# Altium PCB NODE_ABZ.PcbDoc (part 1 of 2) (continued)
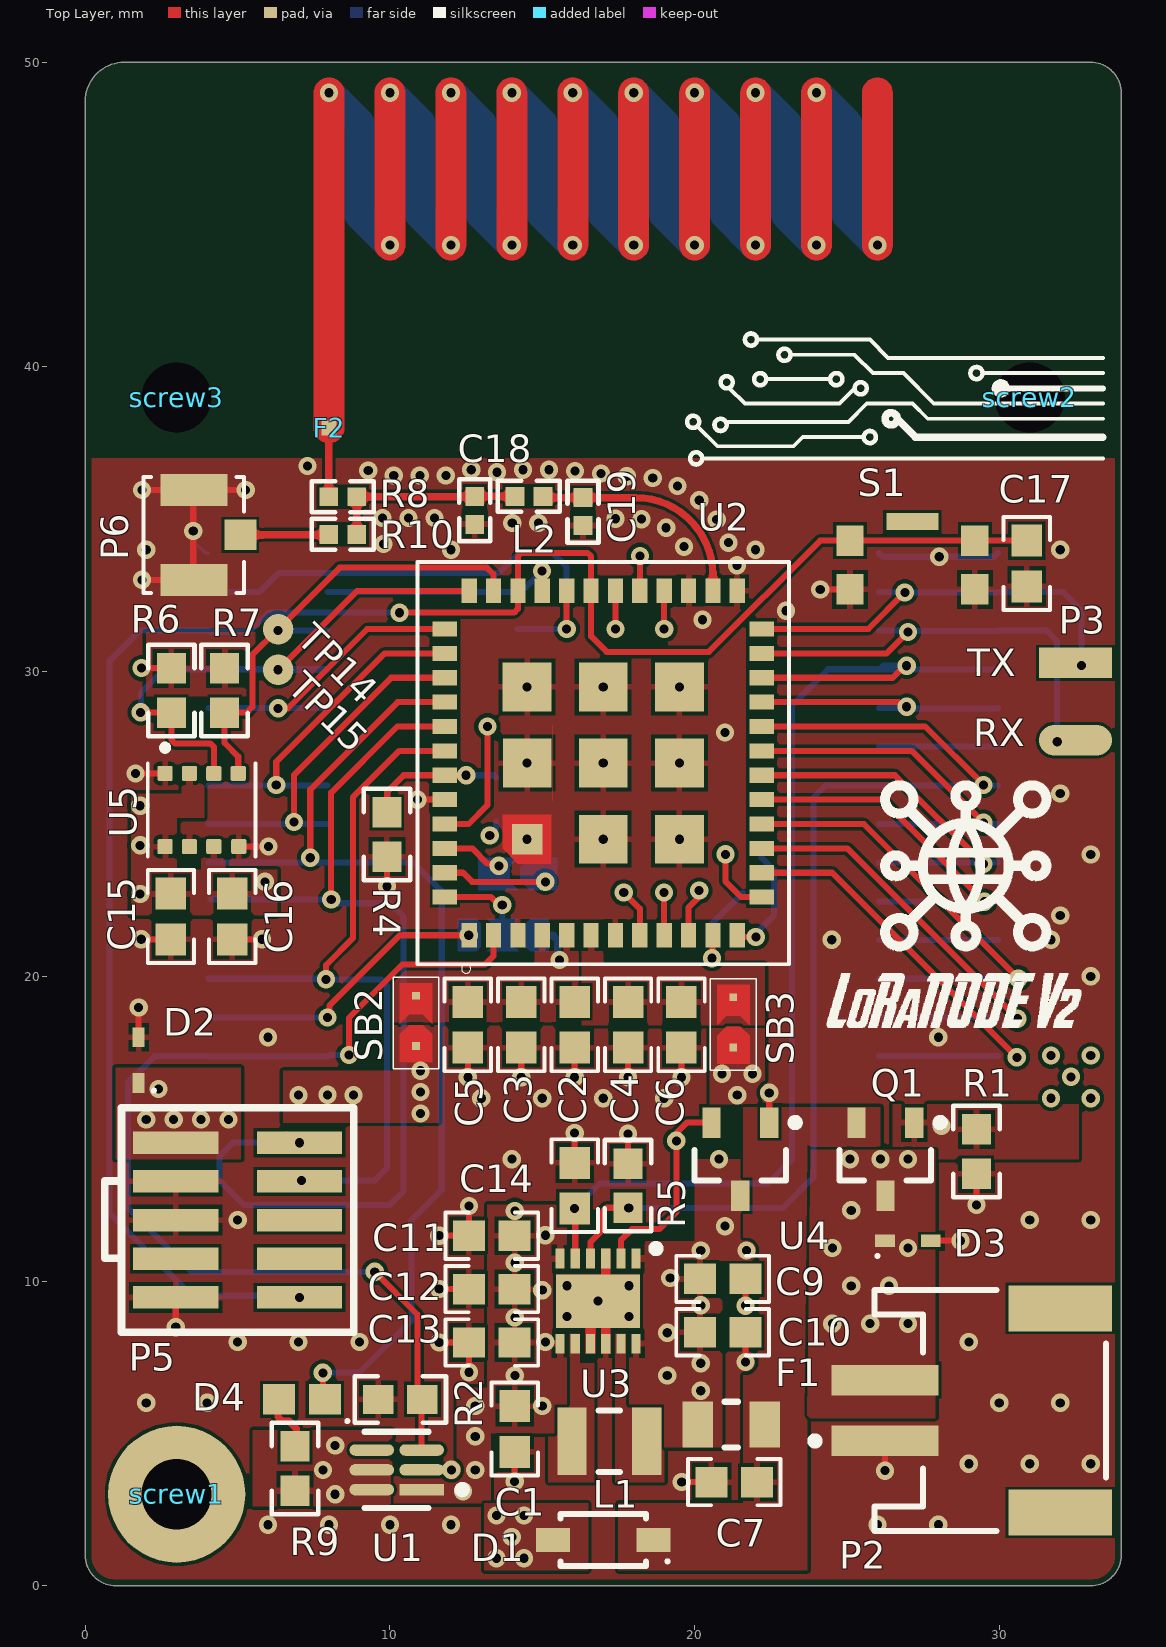
[diagram p0: Top Layer view]
## Part data
C1 C5 C6 C7 C8 C10 C13: library part C0603C105K8PACTU, "CAP CER, 1UF, 10V, X5R, 10%, 0603", Capacitance=1uF, Case Code (Imperial)=0603, Case Code (Metric)=1608, Dielectric=X5R, Dielectric Material=Ceramic, Manufacturer=KEMET, Max Operating Temperature=85°C, Min Operating Temperature=-55°C, Package Quantity=1, Supplier Part Number 1=399-3118-1-ND, Tolerance=10%, Voltage=10V, Case/Package=0603, Category="Ceramic Capacitors", ComponentLink1Description=https://datasheet.ciiva.com/11787/0900766b8116eb59-11787747.pdf?src-supplier=RSComponents, ComponentLink1URL=https://datasheet.ciiva.com/11787/0900766b8116eb59-11787747.pdf?src-supplier=RSComponents, ComponentLink2Description=https://datasheet.ciiva.com/6074/40889-6074647.pdf?src-supplier=Farnell, ComponentLink2URL=https://datasheet.ciiva.com/6074/40889-6074647.pdf?src-supplier=Farnell, ComponentLink3Description=https://datasheet.ciiva.com/28645/1831760-28645655.pdf?src-supplier=Element14, ComponentLink3URL=https://datasheet.ciiva.com/28645/1831760-28645655.pdf?src-supplier=Element14, ComponentLink4Description=https://datasheet.ciiva.com/26847/getdatasheetpartid-385480-26847548.pdf?src-supplier=Verical, ComponentLink4URL=https://datasheet.ciiva.com/26847/getdatasheetpartid-385480-26847548.pdf?src-supplier=Verical, ComponentLink5Description=https://datasheet.ciiva.com/7823/40889-7823998.pdf?src-supplier=Element14, ComponentLink5URL=https://datasheet.ciiva.com/7823/40889-7823998.pdf?src-supplier=Element14, ComponentLink6Description=https://datasheet.ciiva.com/7823/1929483-7823999.pdf?src-supplier=Element14, ComponentLink6URL=https://datasheet.ciiva.com/7823/1929483-7823999.pdf?src-supplier=Element14, Depth=0.8mm, Height=0.8mm, Lead Free="Lead Free", Length=1.6mm, Manufacturer Part Number=C0603C105K8PACTU, Mount="Surface Mount", Number of Pins=2, Packaging="Tape and Reel", Pricing 1="1=0.10000, 10=0.05900, 50=0.03200, 100=0.02610, 500=0.01864, 1000=0.01464 (USD)", Radiation Hardening=No, REACH SVHC="No SVHC", RoHS=Yes, Stock 1=39312, Supplier 1=Digi-Key, Termination=SMD/SMT, Thickness=0.035inch, Voltage Rating=10V, Voltage Rating (DC)=10V, Weight=7.1E-05oz, Width=0.031inch
C2 C17: library part C0603C104K9RACTU, "Cap Ceramic 0.1uF 6.3V X7R 10% Pad SMD 0603 125°C T/R", Capacitance=100nF, Case Code (Imperial)=0603, Case Code (Metric)=1608, Dielectric=X7R, Dielectric Material=Ceramic, Manufacturer 1=KEMET, Max Operating Temperature=125°C, Min Operating Temperature=-55°C, Package Quantity=4000, Supplier Part Number 1=80-C0603C104K9R, Tolerance=10%, Voltage Rating=6.3V, Case/Package=0603, Category="Ceramic Capacitors", ComponentLink1Description=https://datasheet.ciiva.com/13371/kem-c1002-x7r-smd-357932-13371879.pdf?src-supplier=Mouser, ComponentLink1URL=https://datasheet.ciiva.com/13371/kem-c1002-x7r-smd-357932-13371879.pdf?src-supplier=Mouser, Depth=0.8mm, Dissipation Factor=5%, Height=0.8mm, Length=1.6mm, Manufacturer Part Number 1=C0603C104K9RACTU, Mount="Surface Mount", Packaging="Tape and Reel", Pricing 1="1=0,19000, 10=0,13800, 100=0,04500, 1000=0,03700, 4000=0,02700, 8000=0,02400 (USD)", Radiation Hardening=No, RoHS=Yes, Stock 1=22809, Supplier 1=Mouser, Termination=SMD/SMT, Thickness=0.034inch, Voltage Rating (DC)=6.3V, Width=0.8mm
C3 C4 C15 C16: library part C0603C103K5RACTU, "Multilayer Ceramic Capacitor, C Series, 0.01 - F, - 10%, X7R, 50 V, 0603 [1608 Metric] ;RoHS Compliant: Yes", Capacitance=10nF, Case Code (Imperial)=0603, Case Code (Metric)=1608, Dielectric=X7R, Dielectric Material=Ceramic, Manufacturer=KEMET, Max Operating Temperature=125°C, Min Operating Temperature=-55°C, Package Quantity=4000, Supplier Part Number 1=399-1091-1-ND, Tolerance=10%, Voltage=50V, Case/Package=0603, Category="Ceramic Capacitors", ComponentLink1Description=https://datasheet.ciiva.com/7823/1732718-7823585.pdf?src-supplier=Element14, ComponentLink1URL=https://datasheet.ciiva.com/7823/1732718-7823585.pdf?src-supplier=Element14, ComponentLink2Description=https://datasheet.ciiva.com/5904/kem-c1002-x7r-smd-5904645.pdf?src-supplier=Farnell, ComponentLink2URL=https://datasheet.ciiva.com/5904/kem-c1002-x7r-smd-5904645.pdf?src-supplier=Farnell, ComponentLink3Description=https://datasheet.ciiva.com/18192/getdatasheetpartid-308803-18192662.pdf?src-supplier=Verical, ComponentLink3URL=https://datasheet.ciiva.com/18192/getdatasheetpartid-308803-18192662.pdf?src-supplier=Verical, ComponentLink4Description=https://datasheet.ciiva.com/39122/kem-c1002-x7r-smd-39122903.pdf?src-supplier=Onlinecomponents.com, ComponentLink4URL=https://datasheet.ciiva.com/39122/kem-c1002-x7r-smd-39122903.pdf?src-supplier=Onlinecomponents.com, ComponentLink5Description=https://datasheet.ciiva.com/7823/kem-c1002-x7r-smd-7823976.pdf?src-supplier=Element14, ComponentLink5URL=https://datasheet.ciiva.com/7823/kem-c1002-x7r-smd-7823976.pdf?src-supplier=Element14, ComponentLink6Description=https://datasheet.ciiva.com/7823/kem-c1002-x7r-smd-7823977.pdf?src-supplier=Element14, ComponentLink6URL=https://datasheet.ciiva.com/7823/kem-c1002-x7r-smd-7823977.pdf?src-supplier=Element14, ComponentLink7Description=https://datasheet.ciiva.com/7823/1918693-7823978.pdf?src-supplier=Element14, ComponentLink7URL=https://datasheet.ciiva.com/7823/1918693-7823978.pdf?src-supplier=Element14, ComponentLink8Description=https://datasheet.ciiva.com/14585/70095383-14585450.pdf?src-supplier=Allied+Electronics, ComponentLink8URL=https://datasheet.ciiva.com/14585/70095383-14585450.pdf?src-supplier=Allied+Electronics, ComponentLink9Description=https://datasheet.ciiva.com/18101/getdatasheetpartid-58468-18101898.pdf?src-supplier=Verical, ComponentLink9URL=https://datasheet.ciiva.com/18101/getdatasheetpartid-58468-18101898.pdf?src-supplier=Verical, ComponentLink10Description=https://datasheet.ciiva.com/5416/kem-c1002-x7r-smd-5416028.pdf?src-supplier=Mouser, ComponentLink10URL=https://datasheet.ciiva.com/5416/kem-c1002-x7r-smd-5416028.pdf?src-supplier=Mouser, ComponentLink11Description=https://datasheet.ciiva.com/28645/1851736-28645598.pdf?src-supplier=Element14, ComponentLink11URL=https://datasheet.ciiva.com/28645/1851736-28645598.pdf?src-supplier=Element14, Contact Plating=Tin,Matte, Depth=0.8mm, Dissipation Factor=2.5%, Height=0.8mm, Lead Pitch=0.7mm, Length=1.6mm, Manufacturer Part Number=C0603C103K5RACTU, Mount="Surface Mount,PCB", Number of Pins=2, Packaging="Tape and Reel", Pricing 1="1=0.11000, 10=0.07700, 50=0.04220, 100=0.03440, 500=0.02456, 1000=0.01930 (USD)", Radiation Hardening=No, REACH SVHC="No SVHC", RoHS=Yes, Stock 1=2415850, Supplier 1=Digi-Key, Termination=SMD/SMT, Thickness=0.034inch, Voltage Rating=50V, Voltage Rating (DC)=50V, Width=0.8mm
C9 C11 C14: library part C0603C104K9RACTU, "CAP CER, 0.1UF, 6.3V, X7R, 10%, 0603", Capacitance=100nF, Case Code (Imperial)=0603, Case Code (Metric)=1608, Dielectric=X7R, Dielectric Material=Ceramic, Manufacturer 1=KEMET, Max Operating Temperature=125°C, Min Operating Temperature=-55°C, Package Quantity=4000, Supplier Part Number 1=80-C0603C104K9R, Tolerance=10%, Voltage Rating=6.3V, Case/Package=0603, Category="Ceramic Capacitors", ComponentLink1Description=https://datasheet.ciiva.com/13371/kem-c1002-x7r-smd-357932-13371879.pdf?src-supplier=Mouser, ComponentLink1URL=https://datasheet.ciiva.com/13371/kem-c1002-x7r-smd-357932-13371879.pdf?src-supplier=Mouser, Depth=0.8mm, Dissipation Factor=5%, Height=0.8mm, Length=1.6mm, Manufacturer Part Number 1=C0603C104K9RACTU, Mount="Surface Mount", Packaging="Tape and Reel", Pricing 1="1=0,19000, 10=0,13800, 100=0,04500, 1000=0,03700, 4000=0,02700, 8000=0,02400 (USD)", Radiation Hardening=No, RoHS=Yes, Stock 1=22809, Supplier 1=Mouser, Termination=SMD/SMT, Thickness=0.034inch, Voltage Rating (DC)=6.3V, Width=0.8mm
C12: library part C0603C300G1HACTU, "CAP CER, 22UF, 100V, X8R, 2%, 0603", Manufacturer=KEMET, Supplier Part Number 1=80-C0603C300G1HACTU, Category="Ceramic Capacitors", Manufacturer Part Number=C0603C300G1HACTU, Pricing 1="1=0.04000, 10=0.02900, 50=0.02900, 100=0.02500, 1000=0.01400, 10000=0.01200 (USD)", RoHS=Yes, RoHS Compliant=Yes, Stock 1=11458, Supplier 1=Mouser
C18 C19: library part C0603C103K9RACTU, "NM", Capacitance=10nF, Case Code (Imperial)=0603, Case Code (Metric)=1608, Dielectric=X7R, Dielectric Material=Ceramic, Manufacturer 1=KEMET, Max Operating Temperature=125°C, Min Operating Temperature=-55°C, Package Quantity=1, Supplier Part Number 1=80-C0603C103K9R, Tolerance=10%, Voltage Rating=6.3V, Case/Package=0603, Category="Ceramic Capacitors", ComponentLink1Description=https://datasheet.ciiva.com/5421/kem-c1002-x7r-smd-357932-5421815.pdf?src-supplier=Mouser, ComponentLink1URL=https://datasheet.ciiva.com/5421/kem-c1002-x7r-smd-357932-5421815.pdf?src-supplier=Mouser, Depth=0.8mm, Dissipation Factor=5%, Height=0.8mm, Length=1.6mm, Manufacturer Part Number 1=C0603C103K9RACTU, Mount="Surface Mount", Packaging="Tape and Reel", Pricing 1="1=0,11000, 10=0,07600, 100=0,02400, 1000=0,02000, 4000=0,01600, 8000=0,01400 (USD)", RoHS=Yes, Stock 1=18988, Supplier 1=Mouser, Termination=SMD/SMT, Thickness=0.034inch, Voltage Rating (DC)=6.3V, Width=0.031inch
D1: "DIODE SCHOTTKY 40V 1A 570mV SOD123", Manufacturer=Nexperia, Supplier Part Number 1=841-PMEG4010CEGWX, Category="Schottky Diodes", ComponentLink1Description=http://www.farnell.com/datasheets/2290154.pdf?src-supplier=Farnell, ComponentLink1URL=http://www.farnell.com/datasheets/2290154.pdf?src-supplier=Farnell, ComponentLink2Description=https://assets.nexperia.com/documents/data-sheet/PMEG4010CEGW.pdf?src-supplier=Digi-Key, ComponentLink2URL=https://assets.nexperia.com/documents/data-sheet/PMEG4010CEGW.pdf?src-supplier=Digi-Key, ComponentLink3Description=http://www.farnell.com/datasheets/2290154.pdf?src-supplier=Element14, ComponentLink3URL=http://www.farnell.com/datasheets/2290154.pdf?src-supplier=Element14, ComponentLink4Description=http://www.farnell.com/datasheets/2290154.pdf?src-supplier=Newark, ComponentLink4URL=http://www.farnell.com/datasheets/2290154.pdf?src-supplier=Newark, Manufacturer Part Number=PMEG4010CEGWX, Pricing 1="1=0.29000, 10=0.19400, 50=0.19400, 100=0.09100, 1000=0.05400, 10000=0.03500 (USD)", RoHS=No, RoHS Compliant=No, Stock 1=3187, Supplier 1=Mouser
D2 D3: library part ESD5Z7.0T1G, "TVS Diodes / ESD Suppressors SOD523 ESD DIODE", Breakdown Voltage=7.5V, Capacitance=65pF, Case/Package=SOD-523-2, Clamping Voltage=22.7V, Leakage Current=10nA, Manufacturer="ON Semiconductor", Max Operating Temperature=150°C, Max Power Dissipation=240W, Max Surge Current=8.8A, Min Operating Temperature=-55°C, Operating Supply Voltage=7V, Package Quantity=1, Peak Pulse Power=200W, Power Line Protection=No, Resistor Type=Zener, Supplier Part Number 1=863-ESD5Z7.0T1G, Test Current=1mA, Category="ESD and Circuit Protection ICs", Clamping Voltage-Max=22.7V, ComponentLink1Description=https://datasheet.ciiva.com/353/esd5z2-5t1-d-353760.pdf?src-supplier=Digi-Key, ComponentLink1URL=https://datasheet.ciiva.com/353/esd5z2-5t1-d-353760.pdf?src-supplier=Digi-Key, ComponentLink2Description=https://datasheet.ciiva.com/30478/0900766b8125092b-30478674.pdf?src-supplier=RSComponents, ComponentLink2URL=https://datasheet.ciiva.com/30478/0900766b8125092b-30478674.pdf?src-supplier=RSComponents, ComponentLink3Description=https://datasheet.ciiva.com/353/esd5z2-5t1-d-353761.pdf?src-supplier=Digi-Key, ComponentLink3URL=https://datasheet.ciiva.com/353/esd5z2-5t1-d-353761.pdf?src-supplier=Digi-Key, ComponentLink4Description=https://datasheet.ciiva.com/11195/esd5z2-5t1-d-11195333.pdf?src-supplier=Avnet, ComponentLink4URL=https://datasheet.ciiva.com/11195/esd5z2-5t1-d-11195333.pdf?src-supplier=Avnet, ComponentLink5Description=https://datasheet.ciiva.com/16437/esd5z2-5t1-d-16437829.pdf?src-supplier=Future+Electronics, ComponentLink5URL=https://datasheet.ciiva.com/16437/esd5z2-5t1-d-16437829.pdf?src-supplier=Future+Electronics, ComponentLink6Description=https://datasheet.ciiva.com/7973/esd5z2-5t1-d-7973851.pdf?src-supplier=Element14, ComponentLink6URL=https://datasheet.ciiva.com/7973/esd5z2-5t1-d-7973851.pdf?src-supplier=Element14, ComponentLink7Description=https://datasheet.ciiva.com/26817/getdatasheetpartid-120991-26817819.pdf?src-supplier=Verical, ComponentLink7URL=https://datasheet.ciiva.com/26817/getdatasheetpartid-120991-26817819.pdf?src-supplier=Verical, ComponentLink8Description=https://datasheet.ciiva.com/353/esd5z2-5t1-d-353759.pdf?src-supplier=Digi-Key, ComponentLink8URL=https://datasheet.ciiva.com/353/esd5z2-5t1-d-353759.pdf?src-supplier=Digi-Key, Contact Plating=Tin,Matte, Depth=0.8mm, Diode Type=ZENER, Direction=Unidirectional, Element Configuration=Single, ESD Protection=Yes, Halogen Free="Halogen Free", Height=0.7mm, Lead Free="Lead Free", Length=1.2mm, Manufacturer Part Number=ESD5Z7.0T1G, Max Breakdown Voltage=7.5V, Max Reverse Leakage Current=10nA, Min Breakdown Voltage=7.5V, Number of Channels=1, Number of Elements=1, Number of Lines=1, Number of Pins=2, Number of Unidirectional Channels=1, Packaging="Tape and Reel", Peak Pulse Current=8.8A, Polarity=Unidirectional, Pricing 1="1=0.17000, 10=0.11700, 50=0.11700, 100=0.05000, 1000=0.03500, 10000=0.02300 (USD)", Radiation Hardening=No, REACH SVHC="No SVHC", Reverse Breakdown Voltage=7.5V, Reverse Standoff Voltage=7V, RoHS=Yes, RoHS Compliant=Yes, Series="Automotive, AEC-Q101", Stock 1=23017, Supplier 1=Mouser, Termination=SMD/SMT, Width=0.9mm, Working Voltage=7V
D4: library part KPG1-1608SURC-TT, "Led, Red, 65MCD, 631NM, SMD, 1608", Manufacturer=Kingbright, Supplier Part Number 1=1254508, ComponentLink1Description=http://www.farnell.com/datasheets/2163487.pdf?src-supplier=Farnell, ComponentLink1URL=http://www.farnell.com/datasheets/2163487.pdf?src-supplier=Farnell, Manufacturer Part Number=KPG1-1608SURC-TT, Pricing 1="25=0.16500 (USD)", RoHS=No, Stock 1=2675, Supplier 1=RSComponents
F1: library part 0ZCK0075FF2E, "BEL FUSE - 0ZCK0075FF2E - FUSE, RESETTABLE PTC, 6VDC, 0.75A, SMD", Case Code (Imperial)=0805, Case Code (Metric)=2012, Hold Current=750mA, Manufacturer=Bel, Max Current Rating=40A, Package Quantity=1, Supplier Part Number 1=530-0ZCK0075FF2E, Trip Current=1.5A, Case/Package=0805, Category="PTC Resettable Fuses", ComponentLink1Description=https://datasheet.ciiva.com/18550/0zck-18550716.pdf?src-supplier=Digi-Key, ComponentLink1URL=https://datasheet.ciiva.com/18550/0zck-18550716.pdf?src-supplier=Digi-Key, ComponentLink2Description=https://datasheet.ciiva.com/18550/0zck-18550717.pdf?src-supplier=Digi-Key, ComponentLink2URL=https://datasheet.ciiva.com/18550/0zck-18550717.pdf?src-supplier=Digi-Key, Lead Free="Lead Free", Manufacturer Part Number=0ZCK0075FF2E, Packaging="Tape and Reel", Pricing 1="1=0.17000, 10=0.17000, 50=0.12300, 100=0.10900, 1000=0.08600, 10000=0.07300 (USD)", RoHS=Yes, RoHS Compliant=Yes, Stock 1=8730, Supplier 1=Mouser, Time to Trip=0.2s
F2: library part Helical_868-915MHZ, "19x11mm Helical antenna. Requieres load matching  (impedance at 868MHz: 10-88j, VSWR 22)"
L1: library part CVH252009-2R2M, "2.2uH, 1.3A , 20%, 1MHz", Case Code (Imperial)=1008, Case Code (Metric)=2520, Current Rating=1.3A, DC Resistance (DCR)=80mR, Inductance=2.2uH, Inductance Tolerance=20%, Manufacturer=Bourns, Max Operating Temperature=125°C, Min Operating Temperature=-55°C, Package Quantity=3000, Self Resonant Frequency=40MHz, Supplier Part Number 1=652-CVH252009-2R2M, Test Frequency=1MHz, Case/Package=1008, Category="Fixed Inductors", ComponentLink1Description=https://datasheet.ciiva.com/6703/cvh25200920series-6703456.pdf?src-supplier=Digi-Key, ComponentLink1URL=https://datasheet.ciiva.com/6703/cvh25200920series-6703456.pdf?src-supplier=Digi-Key, ComponentLink2Description=https://datasheet.ciiva.com/3079/cvh-3079746.pdf?src-supplier=Avnet, ComponentLink2URL=https://datasheet.ciiva.com/3079/cvh-3079746.pdf?src-supplier=Avnet, ComponentLink3Description=https://datasheet.ciiva.com/7849/1610598-7849317.pdf?src-supplier=Element14, ComponentLink3URL=https://datasheet.ciiva.com/7849/1610598-7849317.pdf?src-supplier=Element14, ComponentLink4Description=https://datasheet.ciiva.com/22874/70301233-22874395.pdf?src-supplier=Allied+Electronics, ComponentLink4URL=https://datasheet.ciiva.com/22874/70301233-22874395.pdf?src-supplier=Allied+Electronics, ComponentLink5Description=https://datasheet.ciiva.com/6703/cvh252009series-6703455.pdf?src-supplier=Digi-Key, ComponentLink5URL=https://datasheet.ciiva.com/6703/cvh252009series-6703455.pdf?src-supplier=Digi-Key, Contact Plating=Tin, Core Material=Ferrite, DC Current=1.3A, Depth=2.2mm, Height - Seated (Max)=0.039inch, Length=0.098inch, Manufacturer Part Number=CVH252009-2R2M, Max DC Current=1.3A, Military Standard=Not, Mount="Surface Mount", Packaging="Tape and Reel", Pricing 1="1=0.23000, 10=0.18800, 50=0.16900, 100=0.15800, 1000=0.11100, 10000=0.08000 (USD)", REACH SVHC="No SVHC", RoHS=Yes, RoHS Compliant=Yes, Series=CVH252009, Shielding=Shielded, Stock 1=41990, Supplier 1=Mouser, Termination=SMD/SMT, Tolerance=20%, Width=0.079inch
L2: library part 2506031217Z0, "NM", Capacitance=-, Manufacturer=Fair-Rite, Maximum DC Current="450 mA", Maximum DC Resistance="300 mOhms", Maximum Operating Temperature="+ 125 C", Minimum Operating Temperature="- 55 C", Operating Temperature Range="- 55 C to + 125 C", Package / Case="0603 (1608 metric)", Supplier Part Number 1=623-2506031217Z0, Test Frequency="100 MHz", Tolerance="25 %", Brand=Fair-Rite, Category="Ferrite Beads", ComponentLink1Description=https://www.mouser.com/datasheet/2/150/2506031217Z0-471794.pdf, ComponentLink1URL=https://www.mouser.com/datasheet/2/150/2506031217Z0-471794.pdf, Height="0.8 mm", Impedance="120 Ohms", Length="1.6 mm", Manufacturer Part Number=2506031217Z0, Minimum Order Quantity=1, Packaging="Cut Tape", Pricing 1="1=0.032, 2500=0.027, 4000=0.025, 8000=0.024, 24000=0.022, 48000=0.021, 100000=0.018, 400000=0.016 (EUR)", Product="Ferrite Chip Beads", Product Type="Ferrite Beads", Reeling=True, RoHS="RoHS Compliant", RoHS - Mouser=Y, Standard Pack Qty=4000, Stock 1=9619, Subcategory=Ferrites, Supplier 1=Mouser, Termination=-, Termination Style=SMD/SMT, Type="Multilayer Ferrite Chip Bead", Width="0.8 mm"
logo1: library part Robolabo
P1 P4: library part CONN-2X15-1.27-MALE-RECT, "CONN-2X15-1.27-MALE-RECT"
P2: library part S2B-PH-SM4-TB, "CONN MALE RECT 2 POS 2mm"
P3: library part CONN-1X2-2.54-PCB
P5: library part CONN-2X5-1.27-MALE-RECT, "CONN-2X5-1.27-MALE-RECT"
P6: library part 73412-0110, "MOLEX   73412-0110   RF COAXIAL, MICROCOAXIAL, JACK, 50OHM", Frequency=6GHz, Insulation Resistance=500MR, Manufacturer=Molex, Max Operating Temperature=90°C, Min Operating Temperature=-40°C, Package Quantity=5000, Supplier Part Number 1=WM5587CT-ND, Voltage Rating=60V, Body Material="Polymer,Liquid Crystal Polymer", Body Plating=Gold, Category="RF / Coaxial Connectors", ComponentLink1Description=https://datasheet.ciiva.com/30219/250360734120110-rf-coax-nectors-30219809.pdf?src-supplier=Onlinecomponents.com, ComponentLink1URL=https://datasheet.ciiva.com/30219/250360734120110-rf-coax-nectors-30219809.pdf?src-supplier=Onlinecomponents.com, ComponentLink2Description=https://datasheet.ciiva.com/16653/0734120110-rf-coax-connectors-16653186.pdf?src-supplier=Avnet+Europe, ComponentLink2URL=https://datasheet.ciiva.com/16653/0734120110-rf-coax-connectors-16653186.pdf?src-supplier=Avnet+Europe, ComponentLink3Description=https://datasheet.ciiva.com/11762/0900766b80dfdeb4-11762356.pdf?src-supplier=RSComponents, ComponentLink3URL=https://datasheet.ciiva.com/11762/0900766b80dfdeb4-11762356.pdf?src-supplier=RSComponents, ComponentLink4Description=https://datasheet.ciiva.com/22773/1841262-22773140.pdf?src-supplier=Farnell, ComponentLink4URL=https://datasheet.ciiva.com/22773/1841262-22773140.pdf?src-supplier=Farnell, ComponentLink5Description=https://datasheet.ciiva.com/4600/0734120110-rf-coax-connectors-173239-4600647.pdf?src-supplier=Mouser, ComponentLink5URL=https://datasheet.ciiva.com/4600/0734120110-rf-coax-connectors-173239-4600647.pdf?src-supplier=Mouser, ComponentLink6Description=https://datasheet.ciiva.com/16081/1387750734120110-rf-coax-nectors-16081145.pdf?src-supplier=Onlinecomponents.com, ComponentLink6URL=https://datasheet.ciiva.com/16081/1387750734120110-rf-coax-nectors-16081145.pdf?src-supplier=Onlinecomponents.com, ComponentLink7Description=https://datasheet.ciiva.com/46384/1808577-46384459.pdf?src-supplier=Element14, ComponentLink7URL=https://datasheet.ciiva.com/46384/1808577-46384459.pdf?src-supplier=Element14, ComponentLink8Description=https://datasheet.ciiva.com/9419/0734120110-rf-coax-connectors-9419357.pdf?src-supplier=Avnet, ComponentLink8URL=https://datasheet.ciiva.com/9419/0734120110-rf-coax-connectors-9419357.pdf?src-supplier=Avnet, Connector Type=Coaxial, Contact Material=Bronze,Brass, Contact Plating=Gold, Gender=Female, Halogen Free="Low Halogen", Impedance=50R, Lead Free="Lead Free", Manufacturer Part Number=73412-0110, Material=Bronze, Mating Cycles=30, Max Frequency=6GHz, Mount="Surface Mount,Through Hole,PCB", Orientation=Straight, Packaging="Tape and Reel", Polarity=Standard, Pricing 1="1=0.77000, 10=0.72200, 25=0.64960, 50=0.57740, 100=0.55330, 250=0.50520, 500=0.48114, 1000=0.39694, 2500=0.36086 (USD)", Radiation Hardening=No, REACH SVHC=Unknown, RoHS=Yes, Stock 1=98770, Supplier 1=Digi-Key, Termination=Solder, Voltage Rating (AC)=60V
Q1: library part SI2369DS-T1-GE3, "VISHAY - SI2369DS-T1-GE3 - MOSFET, P-CH, -30V, -7.6A, 150DEG C", Case/Package=TO-236-3, Continuous Drain Current (ID)=-7.6A, Drain to Source Breakdown Voltage=30V, Drain to Source Resistance=29mR, Gate to Source Voltage (Vgs)=20V, Input Capacitance=1.295nF, Manufacturer="Vishay Siliconix", Max Operating Temperature=150°C, Max Power Dissipation=2.5W, Min Operating Temperature=-55°C, Package Quantity=3000, Supplier Part Number 1=78-SI2369DS-T1-GE3, Category=MOSFETs, ComponentLink1Description=https://datasheet.ciiva.com/29747/si2369d-29747874.pdf?src-supplier=Digi-Key, ComponentLink1URL=https://datasheet.ciiva.com/29747/si2369d-29747874.pdf?src-supplier=Digi-Key, ComponentLink2Description=https://datasheet.ciiva.com/29747/si2369d-29747879.pdf?src-supplier=Digi-Key, ComponentLink2URL=https://datasheet.ciiva.com/29747/si2369d-29747879.pdf?src-supplier=Digi-Key, Contact Plating=Tin,Matte, Drain to Source Voltage (Vdss)=30V, Manufacturer Part Number=SI2369DS-T1-GE3, Mount="Surface Mount", Number of Channels=1, Number of Pins=3, Packaging="Tape and Reel", Pricing 1="1=0.36000, 10=0.32600, 100=0.24200, 500=0.19900, 1000=0.15300, 3000=0.14000 (USD)", Radiation Hardening=No, Rds On Max=29mR, REACH SVHC="No SVHC", RoHS=Yes, Stock 1=37245, Supplier 1=Mouser
R1 R2 R5: library part CRCW0603100KFKEAHP, "RES SMD 100K OHM 1% 1/10W 0603", Case Code (Imperial)=0603, Case Code (Metric)=1608, Manufacturer=Vishay, Max Operating Temperature=155°C, Max Power Dissipation=250mW, Min Operating Temperature=-55°C, Package Quantity=10, Resistance=100kR, Supplier Part Number 1=541-100KSCT-ND, Temperature Coefficient=100ppm/°C, Tolerance=1%, Voltage Rating=75V, Case/Package=0603, Category="Chip SMD Resistors", ComponentLink1Description=https://datasheet.ciiva.com/3256/crcwhpe3-3256918.pdf?src-supplier=Avnet, ComponentLink1URL=https://datasheet.ciiva.com/3256/crcwhpe3-3256918.pdf?src-supplier=Avnet, ComponentLink2Description=https://datasheet.ciiva.com/2472/crcwhpe3-2472535.pdf?src-supplier=Digi-Key, ComponentLink2URL=https://datasheet.ciiva.com/2472/crcwhpe3-2472535.pdf?src-supplier=Digi-Key, ComponentLink3Description=https://datasheet.ciiva.com/2472/crcwhpe3-2472536.pdf?src-supplier=Digi-Key, ComponentLink3URL=https://datasheet.ciiva.com/2472/crcwhpe3-2472536.pdf?src-supplier=Digi-Key, ComponentLink4Description=https://datasheet.ciiva.com/16211/crcwhpe3-16211869.pdf?src-supplier=Future+Electronics, ComponentLink4URL=https://datasheet.ciiva.com/16211/crcwhpe3-16211869.pdf?src-supplier=Future+Electronics, ComponentLink5Description=https://datasheet.ciiva.com/7777/424479-7777270.pdf?src-supplier=Element14, ComponentLink5URL=https://datasheet.ciiva.com/7777/424479-7777270.pdf?src-supplier=Element14, ComponentLink6Description=https://datasheet.ciiva.com/7777/424479-7777271.pdf?src-supplier=Element14, ComponentLink6URL=https://datasheet.ciiva.com/7777/424479-7777271.pdf?src-supplier=Element14, ComponentLink7Description=https://datasheet.ciiva.com/2472/crcwhpe3-2472537.pdf?src-supplier=Digi-Key, ComponentLink7URL=https://datasheet.ciiva.com/2472/crcwhpe3-2472537.pdf?src-supplier=Digi-Key, Composition="Thick Film", Contact Plating=Tin, Depth=0.85mm, Features="Automotive AEC-Q200", Height=0.45mm, Lead Free="Lead Free", Length=1.6mm, Manufacturer Part Number=CRCW0603100KFKEAHP, Military Standard=Not, Number of Terminations=2, Packaging="Tape and Reel", Power Rating=250mW, Pricing 1="1=0.16000, 10=0.13600, 100=0.05330, 1000=0.02232, 2500=0.02046 (USD)", Radiation Hardening=No, REACH SVHC=Unknown, RoHS=Yes, Stock 1=8564, Supplier 1=Digi-Key, Termination=SMD/SMT, Voltage Rating (DC)=75V, Weight=7.1E-05oz, Width=0.8mm
R3 R8 R10: library part CRCW0603-0000Z0EA, "RES SMD 0 OHM 0603", Case Code (Imperial)=0603, Case Code (Metric)=1608, Current Rating=2A, Manufacturer 1=Vishay, Max Operating Temperature=155°C, Max Power Dissipation=100mW, Min Operating Temperature=-55°C, Package Quantity=1, Resistance=0mR, Supplier Part Number 1=71-CRCW0603-0-E3, Temperature Coefficient=100ppm/°C, Tolerance=5%, Voltage Rating=75V, Case/Package=0603, ComponentLink1Description=https://datasheet.ciiva.com/2461/dcrcwe3-2461968.pdf?src-supplier=Digi-Key, ComponentLink1URL=https://datasheet.ciiva.com/2461/dcrcwe3-2461968.pdf?src-supplier=Digi-Key, ComponentLink2Description=https://datasheet.ciiva.com/2461/dcrcwe3-2461969.pdf?src-supplier=Digi-Key, ComponentLink2URL=https://datasheet.ciiva.com/2461/dcrcwe3-2461969.pdf?src-supplier=Digi-Key, ComponentLink3Description=https://datasheet.ciiva.com/2461/dcrcwe3-2461970.pdf?src-supplier=Digi-Key, ComponentLink3URL=https://datasheet.ciiva.com/2461/dcrcwe3-2461970.pdf?src-supplier=Digi-Key, ComponentLink4Description=https://datasheet.ciiva.com/8340/dcrcwe3-8340197.pdf?src-supplier=Avnet, ComponentLink4URL=https://datasheet.ciiva.com/8340/dcrcwe3-8340197.pdf?src-supplier=Avnet, ComponentLink5Description=https://datasheet.ciiva.com/16941/dcrcw-16941302.pdf?src-supplier=Avnet+Europe, ComponentLink5URL=https://datasheet.ciiva.com/16941/dcrcw-16941302.pdf?src-supplier=Avnet+Europe, ComponentLink6Description=https://datasheet.ciiva.com/16199/dcrcwe3-16199063.pdf?src-supplier=Future+Electronics, ComponentLink6URL=https://datasheet.ciiva.com/16199/dcrcwe3-16199063.pdf?src-supplier=Future+Electronics, ComponentLink7Description=https://datasheet.ciiva.com/16725/70201119-16725175.pdf?src-supplier=Allied+Electronics, ComponentLink7URL=https://datasheet.ciiva.com/16725/70201119-16725175.pdf?src-supplier=Allied+Electronics, ComponentLink8Description=https://datasheet.ciiva.com/26316/fld-crcw-e3-data-en-26316615.pdf?src-supplier=Distrelec, ComponentLink8URL=https://datasheet.ciiva.com/26316/fld-crcw-e3-data-en-26316615.pdf?src-supplier=Distrelec, ComponentLink9Description=https://datasheet.ciiva.com/5544/dcrcwe3-109170-5544344.pdf?src-supplier=Mouser, ComponentLink9URL=https://datasheet.ciiva.com/5544/dcrcwe3-109170-5544344.pdf?src-supplier=Mouser, ComponentLink10Description=https://datasheet.ciiva.com/7841/1720486-7841816.pdf?src-supplier=Element14, ComponentLink10URL=https://datasheet.ciiva.com/7841/1720486-7841816.pdf?src-supplier=Element14, ComponentLink11Description=https://datasheet.ciiva.com/7841/1720486-7841817.pdf?src-supplier=Element14, ComponentLink11URL=https://datasheet.ciiva.com/7841/1720486-7841817.pdf?src-supplier=Element14, ComponentLink12Description=https://datasheet.ciiva.com/7841/125364-7841818.pdf?src-supplier=Element14, ComponentLink12URL=https://datasheet.ciiva.com/7841/125364-7841818.pdf?src-supplier=Element14, ComponentLink13Description=https://datasheet.ciiva.com/16721/70201119-16721450.pdf?src-supplier=Allied+Electronics, ComponentLink13URL=https://datasheet.ciiva.com/16721/70201119-16721450.pdf?src-supplier=Allied+Electronics, Composition="Thick Film", Contact Plating=Tin,Lead, Depth=0.85mm, Features="Automotive AEC-Q200", Height=0.02inch, Lead Free="Lead Free", Length=1.55mm, Manufacturer Part Number 1=CRCW0603-0000Z0EA, Military Standard=Not, Mount="Surface Mount", Number of Terminations=2, Packaging="Tape and Reel", Power Rating=100mW, Pricing 1="1=0,100000, 10=0,017000, 100=0,012000, 500=0,007000, 1000=0,006000, 2500=0,005000, 5000=0,004000, 10000=0,003000 (USD)", Radiation Hardening=No, REACH SVHC=Unknown, RoHS=Yes, Stock 1=1187486, Supplier 1=Mouser, Termination=SMD/SMT, Voltage Rating (DC)=75V, Weight=7.1E-05oz, Width=0.033inch, Working Voltage=75V
R4: library part CRCW060310K0FKEA, "RES SMD 10K OHM 1% 1/10W 0603", Case Code (Imperial)=0603, Case Code (Metric)=1608, Manufacturer=Vishay, Max Operating Temperature=155°C, Max Power Dissipation=100mW, Min Operating Temperature=-55°C, Package Quantity=10, Resistance=10kR, Supplier Part Number 1=541-10.0KHCT-ND, Temperature Coefficient=100ppm/°C, Tolerance=1%, Voltage Rating=75V, Case/Package=0603, Category="Chip SMD Resistors", ComponentLink1Description=https://datasheet.ciiva.com/11809/0900766b80d98afc-11809037.pdf?src-supplier=RSComponents, ComponentLink1URL=https://datasheet.ciiva.com/11809/0900766b80d98afc-11809037.pdf?src-supplier=RSComponents, ComponentLink2Description=https://datasheet.ciiva.com/16886/dcrcw-16886037.pdf?src-supplier=Avnet+Europe, ComponentLink2URL=https://datasheet.ciiva.com/16886/dcrcw-16886037.pdf?src-supplier=Avnet+Europe, ComponentLink3Description=https://datasheet.ciiva.com/26821/getdatasheetpartid-86831-26821109.pdf?src-supplier=Verical, ComponentLink3URL=https://datasheet.ciiva.com/26821/getdatasheetpartid-86831-26821109.pdf?src-supplier=Verical, ComponentLink4Description=https://datasheet.ciiva.com/16754/70201119-16754710.pdf?src-supplier=Allied+Electronics, ComponentLink4URL=https://datasheet.ciiva.com/16754/70201119-16754710.pdf?src-supplier=Allied+Electronics, ComponentLink5Description=https://datasheet.ciiva.com/16719/70201119-16719704.pdf?src-supplier=Allied+Electronics, ComponentLink5URL=https://datasheet.ciiva.com/16719/70201119-16719704.pdf?src-supplier=Allied+Electronics, ComponentLink6Description=https://datasheet.ciiva.com/2465/dcrcwe3-2465513.pdf?src-supplier=Digi-Key, ComponentLink6URL=https://datasheet.ciiva.com/2465/dcrcwe3-2465513.pdf?src-supplier=Digi-Key, ComponentLink7Description=https://datasheet.ciiva.com/5543/dcrcwe3-109170-5543001.pdf?src-supplier=Mouser, ComponentLink7URL=https://datasheet.ciiva.com/5543/dcrcwe3-109170-5543001.pdf?src-supplier=Mouser, ComponentLink8Description=https://datasheet.ciiva.com/2465/dcrcwe3-2465514.pdf?src-supplier=Digi-Key, ComponentLink8URL=https://datasheet.ciiva.com/2465/dcrcwe3-2465514.pdf?src-supplier=Digi-Key, ComponentLink9Description=https://datasheet.ciiva.com/46385/1697337-46385498.pdf?src-supplier=Element14, ComponentLink9URL=https://datasheet.ciiva.com/46385/1697337-46385498.pdf?src-supplier=Element14, ComponentLink10Description=https://datasheet.ciiva.com/2465/dcrcwe3-2465515.pdf?src-supplier=Digi-Key, ComponentLink10URL=https://datasheet.ciiva.com/2465/dcrcwe3-2465515.pdf?src-supplier=Digi-Key, ComponentLink11Description=https://datasheet.ciiva.com/3256/dcrcwe3-3256939.pdf?src-supplier=Avnet, ComponentLink11URL=https://datasheet.ciiva.com/3256/dcrcwe3-3256939.pdf?src-supplier=Avnet, ComponentLink12Description=https://datasheet.ciiva.com/3256/dcrcwe3-3256940.pdf?src-supplier=Avnet, ComponentLink12URL=https://datasheet.ciiva.com/3256/dcrcwe3-3256940.pdf?src-supplier=Avnet, ComponentLink13Description=https://datasheet.ciiva.com/16209/dcrcwe3-16209164.pdf?src-supplier=Future+Electronics, ComponentLink13URL=https://datasheet.ciiva.com/16209/dcrcwe3-16209164.pdf?src-supplier=Future+Electronics, ComponentLink14Description=https://datasheet.ciiva.com/26314/fld-crcw-e3-data-en-26314749.pdf?src-supplier=Distrelec, ComponentLink14URL=https://datasheet.ciiva.com/26314/fld-crcw-e3-data-en-26314749.pdf?src-supplier=Distrelec, Composition="Thick Film", Contact Plating=Tin,Lead, Depth=0.85mm, Features="Automotive AEC-Q200", Height=0.45mm, Lead Free="Lead Free", Length=1.55mm, Manufacturer Part Number=CRCW060310K0FKEA, Military Standard=Not, Number of Pins=2, Number of Terminations=2, Packaging="Tape and Reel", Power Rating=100mW, Pricing 1="1=0.10000, 10=0.03300, 100=0.01340, 1000=0.00602, 2500=0.00522 (USD)", Radiation Hardening=No, REACH SVHC=Unknown, RoHS=Yes, Stock 1=633553, Supplier 1=Digi-Key, Termination=SMD/SMT, Voltage Rating (DC)=75V, Weight=7.1E-05oz, Width=0.033inch
R6 R7: library part CRCW06034K70FKTA, "RES SMD 4.7K OHM 1% 1/10W 0603", Case Code (Imperial)=0603, Case Code (Metric)=1608, Manufacturer 1="Vishay Dale", Max Operating Temperature=155°C, Max Power Dissipation=100mW, Min Operating Temperature=-55°C, Package Quantity=5000, Resistance=4.7kR, Supplier Part Number 1=71-CRCW0603-4.7K, Temperature Coefficient=100ppm/°C, Tolerance=1%, Voltage Rating=75V, Case/Package=0603, Category="Chip SMD Resistors", ComponentLink1Description=https://datasheet.ciiva.com/2565/dcrcw-2565426.pdf?src-supplier=Digi-Key, ComponentLink1URL=https://datasheet.ciiva.com/2565/dcrcw-2565426.pdf?src-supplier=Digi-Key, ComponentLink2Description=https://datasheet.ciiva.com/9071/dcrcw-9071351.pdf?src-supplier=Avnet, ComponentLink2URL=https://datasheet.ciiva.com/9071/dcrcw-9071351.pdf?src-supplier=Avnet, Composition="Thick Film", Contact Plating=Tin,Lead, Depth=0.85mm, Features="Automotive AEC-Q200", Height=0.02inch, Lead Free="Contains Lead", Length=1.55mm, Manufacturer Part Number 1=CRCW06034K70FKTA, Military Standard=Not, Number of Terminations=2, Packaging="Tape and Reel", Power Dissipation=100mW, Power Rating=100mW, Pricing 1="1=0,14000, 10=0,12400, 100=0,04700, 1000=0,01800, 5000=0,01400, 10000=0,01300, 25000=0,01200, 50000=0,01100 (USD)", Radiation Hardening=No, RoHS=Yes, Stock 1=10790, Supplier 1=Mouser, Voltage Rating (DC)=75V, Weight=7.1E-05oz, Width=0.033inch
R9: library part CRCW0603470RFKEAHP, "RES SMD 470 OHM 1% 1/10W 0603", Case Code (Imperial)=0603, Case Code (Metric)=1608, Manufacturer=Vishay, Max Operating Temperature=155°C, Max Power Dissipation=250mW, Min Operating Temperature=-55°C, Package Quantity=1, Resistance=470R, Supplier Part Number 1=541-470SCT-ND, Temperature Coefficient=100ppm/°C, Tolerance=1%, Voltage Rating=75V, Case/Package=0603, Category="Chip SMD Resistors", ComponentLink1Description=https://datasheet.ciiva.com/8934/crcwhpe3-8934713.pdf?src-supplier=Avnet, ComponentLink1URL=https://datasheet.ciiva.com/8934/crcwhpe3-8934713.pdf?src-supplier=Avnet, ComponentLink2Description=https://datasheet.ciiva.com/16884/crcwhpe3-16884505.pdf?src-supplier=Avnet+Europe, ComponentLink2URL=https://datasheet.ciiva.com/16884/crcwhpe3-16884505.pdf?src-supplier=Avnet+Europe, ComponentLink3Description=https://datasheet.ciiva.com/7777/424479-7777323.pdf?src-supplier=Element14, ComponentLink3URL=https://datasheet.ciiva.com/7777/424479-7777323.pdf?src-supplier=Element14, ComponentLink4Description=https://datasheet.ciiva.com/7777/424479-7777324.pdf?src-supplier=Element14, ComponentLink4URL=https://datasheet.ciiva.com/7777/424479-7777324.pdf?src-supplier=Element14, Composition="Thick Film", Contact Plating=Tin, Depth=0.85mm, Features="Automotive AEC-Q200", Height=0.022inch, Lead Free="Lead Free", Length=1.6mm, Manufacturer Part Number=CRCW0603470RFKEAHP, Military Standard=Not, Mount="Surface Mount", Number of Terminations=2, Packaging="Tape and Reel", Power Rating=250mW, Pricing 1="1=0.16000, 10=0.13600, 100=0.05330, 1000=0.02232, 2500=0.02046 (USD)", Radiation Hardening=No, REACH SVHC=Unknown, RoHS=Yes, Stock 1=42034, Supplier 1=Digi-Key, Termination=SMD/SMT, Voltage Rating (DC)=75V, Width=0.033inch
S1: library part KMR441NGLFS, Case/Package=SMD/SMT, Current Rating=50mA, Manufacturer="ITT C&K", Max Operating Temperature=85°C, Max Voltage Rating (DC)=32V, Min Operating Temperature=-40°C, Operating Force=4N, Package Quantity=6000, Power Rating=1W, Supplier Part Number 1=611-KMR441NGLFS, Actuator Length=1.1mm, Actuator Type=Standard, Category="Tactile Switches", ComponentLink1Description=https://datasheet.ciiva.com/2900/kmr4-9aug12-2900281.pdf?src-supplier=Digi-Key, ComponentLink1URL=https://datasheet.ciiva.com/2900/kmr4-9aug12-2900281.pdf?src-supplier=Digi-Key, ComponentLink2Description=https://datasheet.ciiva.com/7986/1443639-7986953.pdf?src-supplier=Element14, ComponentLink2URL=https://datasheet.ciiva.com/7986/1443639-7986953.pdf?src-supplier=Element14, ComponentLink3Description=https://datasheet.ciiva.com/2900/kmr4-9aug12-2900282.pdf?src-supplier=Digi-Key, ComponentLink3URL=https://datasheet.ciiva.com/2900/kmr4-9aug12-2900282.pdf?src-supplier=Digi-Key, ComponentLink4Description=https://datasheet.ciiva.com/2900/kmr4-9aug12-2900283.pdf?src-supplier=Digi-Key, ComponentLink4URL=https://datasheet.ciiva.com/2900/kmr4-9aug12-2900283.pdf?src-supplier=Digi-Key, ComponentLink5Description=https://datasheet.ciiva.com/16696/kmr4-9aug12-16696492.pdf?src-supplier=Avnet+Europe, ComponentLink5URL=https://datasheet.ciiva.com/16696/kmr4-9aug12-16696492.pdf?src-supplier=Avnet+Europe, Contact Material=Silver, Contact Plating=Silver, Depth=4.6mm, Illumination Type=Non-Illuminated,Illuminated, Length=2.8mm, Manufacturer Part Number=KMR441NGLFS, Max Current Rating=50mA, Mechanical Life=100000Cycles, Mount="Surface Mount", Orientation=Straight, Packaging="Tape and Reel", Pricing 1="1=0.99000, 10=0.95100, 25=0.93300, 50=0.89700, 100=0.77400, 250=0.70600 (USD)", Radiation Hardening=No, REACH SVHC="No SVHC", RoHS=Yes, Stock 1=6000, Supplier 1=Mouser, Switch Function=Off-Mom, Switch Travel=0.35mm, Termination="Gull Wing", Throw Configuration=SPST, Voltage Rating (DC)=32V
SB1: library part SB_3P, "Solder Bridge smd"
SB2 SB3 SB4: library part SB_2P, "Solder Bridge smd"
screw1 screw2 screw3: library part screw_M2
TP1 TP2 TP3 TP4 TP5 TP6 TP7 TP8 TP9 TP10 TP11 TP12 TP13 TP14 TP15: library part "TP SMD"
U1: "5.5-V, 1.5-A, 90-mΩ load switch with adj. output discharge 6-SC70 -40 to 105", Manufacturer="Texas Instruments", Supplier Part Number 1=296-TPS22919DCKRCT-ND, Manufacturer Part Number=TPS22919DCKR, Pricing 1="1=0.39000, 10=0.29100, 25=0.26240, 100=0.14310, 250=0.13832, 500=0.12402, 1000=0.09540 (USD)", RoHS=Yes, RoHS Compliant=Yes, Stock 1=68498, Supplier 1=Digi-Key
U2: "LORA MODULE", Case/Package=Module, Current - Receiving=23mA, Current - Transmitting=106mA, Frequency=915MHz, Manufacturer 1=Murata, Max Operating Temperature=85°C, Min Operating Temperature=-40°C, Supplier Part Number 1=81-CMWX1ZZABZ-078, ComponentLink1Description=https://wireless.murata.com/RFM/data/type_abz.pdf?src-supplier=Digi-Key, ComponentLink1URL=https://wireless.murata.com/RFM/data/type_abz.pdf?src-supplier=Digi-Key, Interface=I2C,SPI,USB,UART, Manufacturer Part Number 1=CMWX1ZZABZ-078, Mount="Surface Mount", Packaging="Cut Tape", Pricing 1="1=16,54000, 10=13,78000, 50=13,78000, 100=12,60000, 200=11,75000, 500=11,54000 (USD)", RoHS=No, Sensitivity=-133dBm, Stock 1=1484, Supplier 1=Mouser
U3: library part RP605K333B-TR, Manufacturer=Ricoh, Supplier Part Number 1=848-RP605K333B-TR, Manufacturer Part Number=RP605K333B-TR, Pricing 1="1=2.24000, 10=1.90000, 50=1.90000, 100=1.52000, 1000=1.11000, 10000=0.98800 (USD)", RoHS=No, Stock 1=4115, Supplier 1=Mouser
U4: library part TPS3839K33DBZR, "IC LP SUPERVISRY CIRCUIT SOT23-3", Case/Package=SOT-23, Manufacturer="Texas Instruments", Max Operating Temperature=85°C, Max Reset Threshold Voltage=2.974V, Max Supply Current=500nA, Max Supply Voltage=6.5V, Min Operating Temperature=-40°C, Min Reset Threshold Voltage=2.857V, Min Supply Voltage=900mV, Number of Voltages Monitored=1, Quiescent Current=150nA, Supplier Part Number 1=595-TPS3839K33DBZR, Threshold Voltage=2.93V, Category="Voltage Supervisors", ComponentLink1Description=https://datasheet.ciiva.com/15105/getdatasheetpartid-682590-15105743.pdf?src-supplier=Verical, ComponentLink1URL=https://datasheet.ciiva.com/15105/getdatasheetpartid-682590-15105743.pdf?src-supplier=Verical, ComponentLink2Description=https://datasheet.ciiva.com/6602/tps3839k33-6602670.pdf?src-supplier=Digi-Key, ComponentLink2URL=https://datasheet.ciiva.com/6602/tps3839k33-6602670.pdf?src-supplier=Digi-Key, ComponentLink3Description=https://datasheet.ciiva.com/6602/tps3839k33-6602669.pdf?src-supplier=Digi-Key, ComponentLink3URL=https://datasheet.ciiva.com/6602/tps3839k33-6602669.pdf?src-supplier=Digi-Key, ComponentLink4Description=https://datasheet.ciiva.com/6602/tps3839k33-6602671.pdf?src-supplier=Digi-Key, ComponentLink4URL=https://datasheet.ciiva.com/6602/tps3839k33-6602671.pdf?src-supplier=Digi-Key, Lead Free="Lead Free", Manufacturer Part Number=TPS3839K33DBZR, Mount="Surface Mount", Number of Monitored Inputs=1, Number of Pins=3, Output=TOTEM-POLE, Package Quantity=1, Packaging="Tape and Reel", Pricing 1="1=0.70000, 10=0.57400, 50=0.57400, 100=0.43500, 1000=0.26900, 10000=0.25000 (USD)", Radiation Hardening=No, REACH SVHC="No SVHC", Reset="Active Low", Reset Timeout=120ms, RoHS=Yes, RoHS Compliant=Yes, Series=TPS3839K33, Stock 1=776, Supplier 1=Mouser, Type="Simple Reset/Power-On Reset", Watchdog Timer=No
U5: "Pressure, Temperature and Humidity Sensor Digital Output 1.8V 8-Pin LGA", Manufacturer="Bosch Sensortec", Max Operating Temperature=85°C, Min Operating Temperature=-40°C, Supplier Part Number 1=828-1077-1-ND, Category="Temperature and Humidity Sensors", ComponentLink1Description=https://ae-bst.resource.bosch.com/media/_tech/media/application_notes/BST-BME680-HS000-05.pdf?src-supplier=Digi-Key, ComponentLink1URL=https://ae-bst.resource.bosch.com/media/_tech/media/application_notes/BST-BME680-HS000-05.pdf?src-supplier=Digi-Key, ComponentLink2Description=https://ae-bst.resource.bosch.com/media/_tech/media/product_flyer/BST-BME680-FL000.pdf?src-supplier=Digi-Key, ComponentLink2URL=https://ae-bst.resource.bosch.com/media/_tech/media/product_flyer/BST-BME680-FL000.pdf?src-supplier=Digi-Key, Manufacturer Part Number=BME680, Output Type=SPI,I2C, Pricing 1="1=12.14000, 5=10.65000, 10=9.58500, 25=8.52000, 50=7.88100, 100=6.81600, 500=6.39000, 1000=5.96400 (USD)", RoHS=No, Sensor Type=Temperature, Stock 1=4127, Supplier 1=Digi-Key

## Via types
v1: diameter 0.6, hole 0.3, Top Layer to Bottom Layer, tented both sides, 225 vias
v2: diameter 0.6, hole 0.3, Top Layer to Bottom Layer, 20 vias
v3: diameter 0.68, hole 0.3, Top Layer to Bottom Layer, tented both sides, 8 vias

## Nets (pads, with @x,y where several pads share a name; then routed paths per layer and width w, separated by ;. In a path a pad name is that pad's centre, name@x,y a point inside that pad or via, vN(x,y) a via of type N, cw(c..) or ccw(c..) an arc to the next point about the centre after c; other vN are vias at no path point)
+3V3: C1.2 C11.2 C12.2 C13.2 P4.29 R3.2 SB2.1 SB3.1 U1.1 U3.6 U3.7 | length 0.5
  Bottom Layer w0.2: v1(13.273,24.624) 13.476,24.826 R3.2@13.476,25.078
  other v1: 12.4,3.1 12.8,3.8 12.8,4.9 12.8,5.9 15,5.9 14.1,6.9 15.1,8 14.1,8.8 15,9.7 14.1,10.6 15.1,11.5 14.1,12.3 11,15.5 7,16.1 7.95,16.11 8.8,16.1 21.4,16.1 11,16.2 20.9,16.8 21.9,16.8 11,16.9
+3V3_SEN: C15.2 C16.2 P1.29 R6.2 R7.2 R9.2 U1.5 U1.6 U5.2 U5.6 U5.8 | length 1
  Top Layer w0.2: v1(1.848,30.117) 2.811,30.117 R6.2@2.823,30.105
  other v1: 8.2,3 7.8,3.8 8.2,4.6 31.7,16 33,16 32.35,16.7 31.7,17.4 33,17.4 1.8,22.7 5.9,23.1 1.8,24.3 1.8,25.6
+Vbat: D3.2 P1.30 P2.2 Q1.3
  other v1: 24.52,8.6 25.76,8.6 27,8.6 25.14,9.84 26.38,9.84 24.52,11.08 27,11.08 25.14,12.32 25.1,14 26.1,14 27,14
+Vin: D1.1 D2.2 P4.30 P5.1 Q1.1 R1.1
  other v1: 13.5,0.9 14.4,0.9 14,1.6 13.5,2.3 14.4,2.3 28.1,15.1 2,15.3 2.9,15.3 3.8,15.3 4.7,15.3 2.4,16.3